# Altium PCB PCB1.PcbDoc
Units mm, origin at the board's own origin, x right, y up, seen from the top; angles counter-clockwise.
Board outline 101.09 x 63.88 mm, 2 copper layers (Top Layer, Bottom Layer); 28 components, 31 nets, 105 pads, 22 vias.
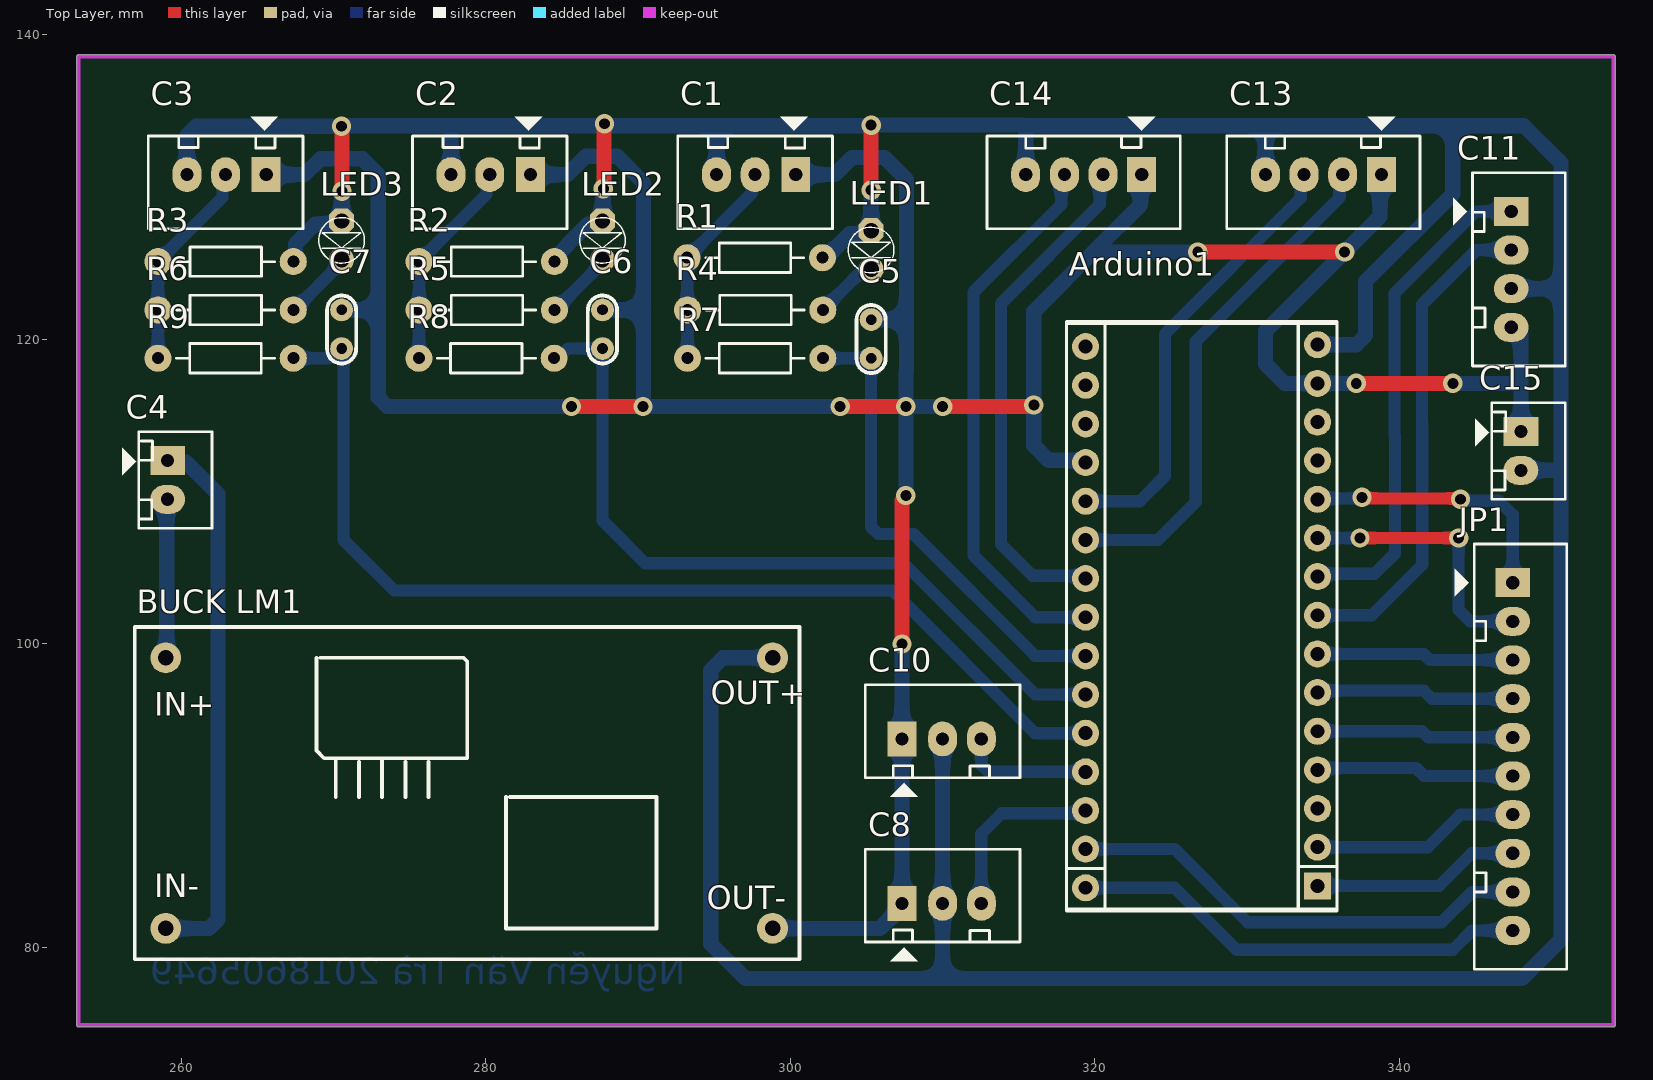
[diagram p0: Top Layer view]
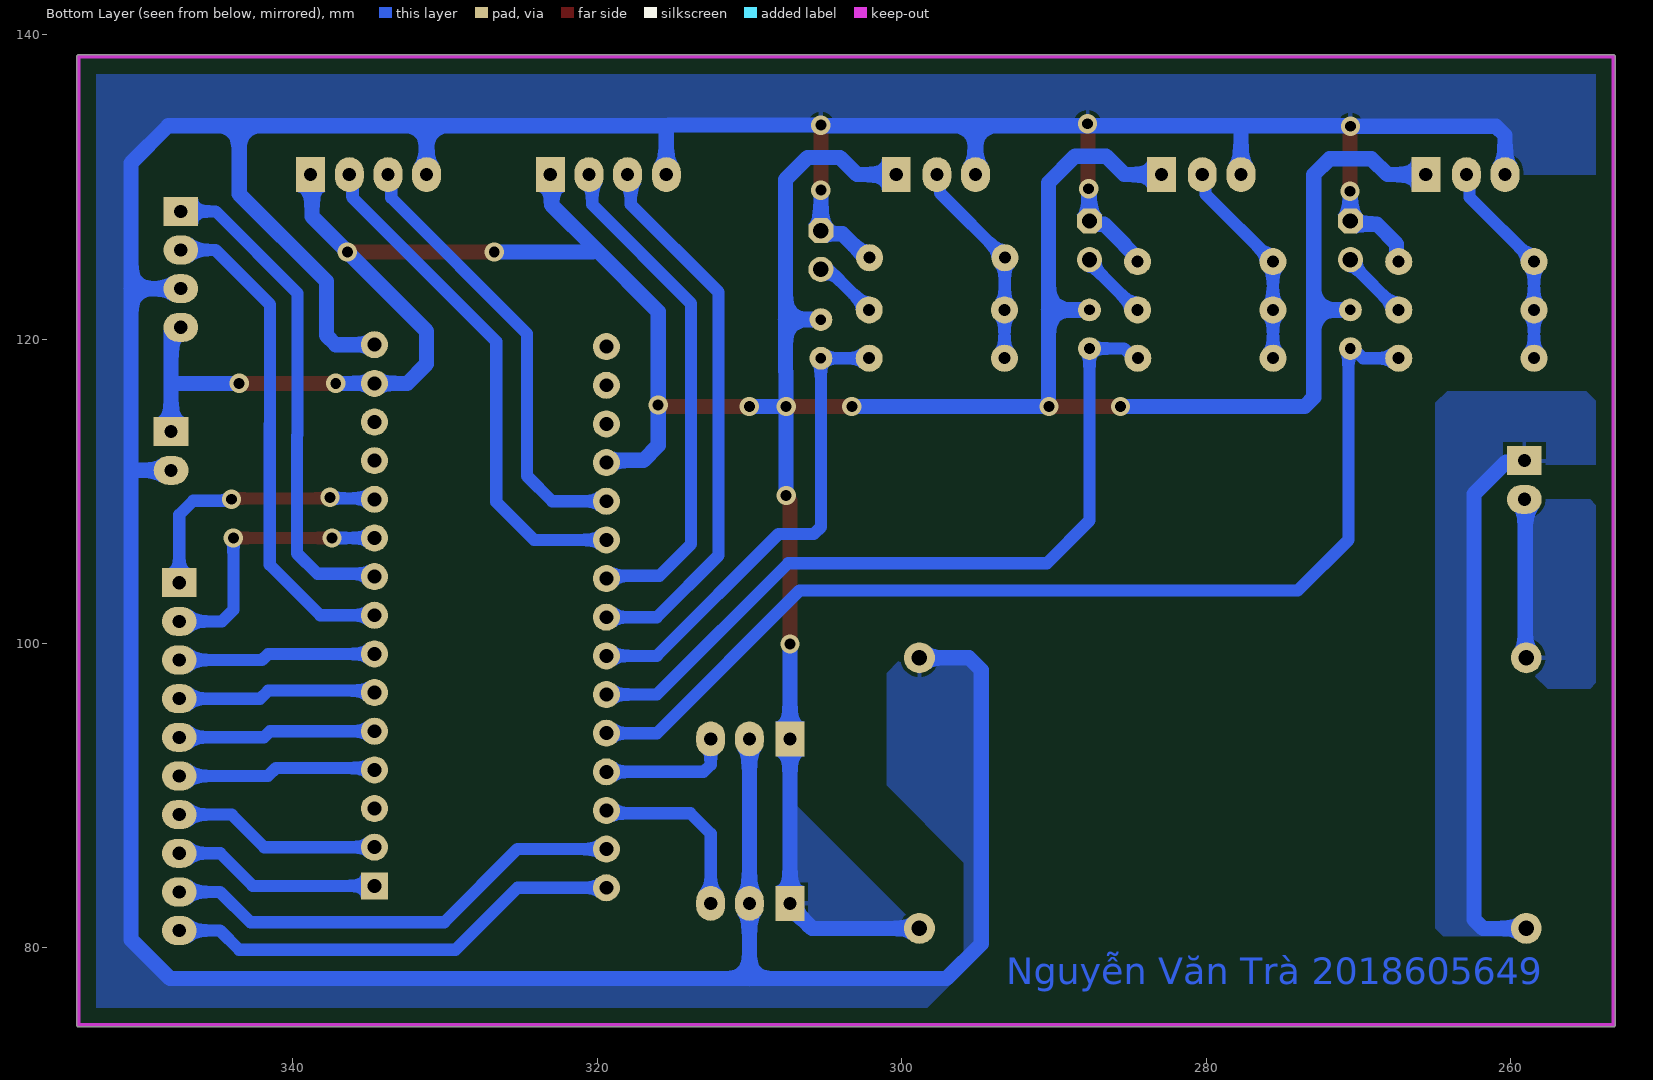
[diagram p1: Bottom Layer view, seen from below]

## Layer stack, top to bottom
Top Solder: solder mask 0.0102, Solder Resist, Dk 3.5
Top Layer: signal copper 0.0356
Dielectric 1: dielectric 0.32, FR-4, Dk 4.8
Bottom Layer: signal copper 0.0356
Bottom Solder: solder mask 0.0102, Solder Resist, Dk 3.5

## Board outline
253.111,74.93 253.111,138.557 cw(c253.238,138.557) 253.238,138.684 354.076,138.684 cw(c354.076,138.557) 354.203,138.557 354.203,74.93 cw(c354.076,74.93) 354.076,74.803 253.238,74.803 cw(c253.238,74.93)

## Design rules (kind name [scope] priority, off if disabled: settings)
Clearance [All] p1: gap=1 ignorepadtopadclearanceinfootprint=TRUE except(0.254: Arc-Hole Track-Hole SMDPad-Hole THPad-Hole Via-Hole Fill-Hole Poly-Hole Region-Hole Text-Hole)
PolygonConnect [All] p1: connectstyle=Relief reliefconductorwidth=0.254 reliefentries=4 polygonreliefangle="90 Angle" airgapwidth=0.254
RoutingVias [All] p1: holewidth=0.711 width=1.27 viastyle="Through Hole" minholewidth=0.711 minwidth=1.27 maxholewidth=0.711 maxwidth=1.27
SolderMaskExpansion [All] p1: expansion=0.102 istentingtop=FALSE
Width V12 [InNet('VCC12')] p1: maxlimit=1 minlimit=1 preferedwidth=1
Width GND [InNet('GND')] p2: maxlimit=1 minlimit=1 preferedwidth=1
Width GND12 [InNet('GND12')] p3: maxlimit=1 minlimit=1 preferedwidth=1
Width VCC [InNet('VCC5')] p4: maxlimit=1 minlimit=1 preferedwidth=1
Width SIGNAL [All] p5: maxlimit=0.8 minlimit=0.8 preferedwidth=0.8
30 further rules are at their usual default settings.

## Components (designator, comment, footprint, x,y, rotation, side; value= is the part's Value field where it differs from the comment)
Arduino1 "Arduino Nano" "Arduino Nano" 327.787,101.981 r0 top value="Cau 1A"
"BUCK LM1" "Buck LM2596" "BUCK LM2596" 278.511,90.932 r0 top
C1 "Sensor 01" Header3 300.228,130.81 r180 top
C2 "Sensor 02" Header3 282.787,130.81 r180 top
C3 "Sensor 03" Header3 265.43,130.81 r180 top
C4 "Header2" Header2 259.08,112.014 r270 top
C5 "104" "tu gom" 305.308,120.015 r90 top
C6 "104" "tu gom" 287.655,120.65 r90 top
C7 "104" "tu gom" 270.51,120.65 r90 top
C8 "Servo_1" Header3 307.467,82.918 r0 top
C10 "Servo_2" Header3 307.467,93.726 r0 top
C11 "LCD_I2C" Header4 347.37,128.397 r270 top
C13 "SR04" Header4 338.836,130.81 r180 top
C14 "SR04" Header4 323.088,130.81 r180 top
C15 "Header2" Header2 348.005,113.919 r270 top
JP1 "JP10" Header10 347.472,103.994 r270 top value="Connector 10"
LED1 "LED 3mm" LED-3MM-BLUE 305.308,125.73 r270 top
LED2 "LED 3mm" LED-3MM-BLUE 287.655,126.365 r270 top
LED3 "LED 3mm" LED-3MM-BLUE 270.51,126.365 r270 top
R1 "47K" R1/4W 293.218,125.349 r0 top value="R1/4W - 1K"
R2 "47K" R1/4W 275.605,125.095 r0 top value="R1/4W - 1K"
R3 "47K" R1/4W 258.445,125.095 r0 top value="R1/4W - 1K"
R4 "100R" R1/4W 293.243,121.92 r0 top value="R1/4W - 1K"
R5 "100R" R1/4W 275.605,121.92 r0 top value="R1/4W - 1K"
R6 "100R" R1/4W 258.445,121.92 r0 top value="R1/4W - 1K"
R7 "4.7K" R1/4W 302.133,118.745 r180 top value="R1/4W - 1K"
R8 "4.7K" R1/4W 284.48,118.745 r180 top value="R1/4W - 1K"
R9 "4.7K" R1/4W 267.335,118.745 r180 top value="R1/4W - 1K"

## Footprints (in the part's own frame and the unit in brackets; to place one, negate y for a bottom-side part, rotate by r counter-clockwise, add the part's x,y. Pads: shape width x height; smd on the part's side, far side on the other; paste and mask are expansions set on the pad)
"Arduino Nano" [mil]
  round 70 hole 36: 3V3(270,-605) 5V(270,395) A0(270,-405) A1(270,-305) A2(270,-205) A3(270,-105) A4(270,-5) A5(270,95) A6(270,195) A7(270,295) D2(-330,290) D3(-330,190) D4(-330,90) D5(-330,-10) D6(-330,-110) D7(-330,-210) D8(-330,-310) D9(-330,-410) D10(-330,-510) D11(-330,-610) D12(-330,-710) GND(-330,390) GND(270,595) REF(270,-505) RST(-330,490) RST(270,495) RX0(-330,590) TX1(-330,690) VIN(270,695)
  rect 70x70 hole 36: D13(270,-705)
  silkscreen extent -380,-770 320,755, body extent -380,-924 320,844, height 834
"BUCK LM2596" [mil]
  round 80 hole 40: 1(-770,320) 2(-770,-380) 3(800,-380) 4(800,320)
  silkscreen extent -850,-460 870,400
Header2 [mil] "CON2"
  rect 75x90 hole 34: 1(0,0)
  oval 75x90 hole 34: 2(100,0)
  silkscreen extent -75,-118 175,115, body extent -68,-70 168,107, height 236
Header3 [mil] "CON 3"
  rect 75x90 hole 34: 1(-5,0)
  oval 75x90 hole 34: 2(100,0) 3(200,0)
  silkscreen extent -100,-150 300,140, body extent -95,-90 295,136, height 276
Header4 [mil] "CON4"
  rect 75x90 hole 34: 1(0,0)
  oval 75x90 hole 34: 2(100,0) 3(200,0) 4(300,0)
  silkscreen extent -100,-150 400,140, body extent -90,-90 398,136, height 276
Header10 [mil] "CON10"
  rect 75x90 hole 34: 1(0,0)
  oval 75x90 hole 34: 2(100,0) 3(200,0) 4(300,0) 5(400,0) 6(500,0) 7(600,0) 8(700,0) 9(800,0) 10(900,0)
  silkscreen extent -100,-150 1000,140
LED-3MM-BLUE [mil]
  oct 65x65 hole 40: 1(-55,0)
  round 65 hole 40: 2(45,0)
  silkscreen extent -64,-59 54,59, body extent -72,-65 54,65, height 184
R1/4W [mil]
  round 70 hole 31: 1(0,0) 2(350,0)
  silkscreen extent 48,-38 302,38, body extent -40,-47 386,47, height 111
"tu gom" [mm] "Tu gom mini"
  round 1.5 hole 0.7: 1(-1.27,0) 2(1.27,0)
  silkscreen extent -2.25,-0.97 2.22,0.97, body extent -2.92,-0.85 2.92,0.85, height 6.12

## Part data
Arduino1: "Arduino NANO"
C1 C2 C3 C8 C10: library part Header3, "Header IDC, 3 x 1 Pin Vertical 2.54mm Pitch (Non-Boxed, Male)", Manufacturer="W¨¹rth Elektronik eiSos GmbH", partNo=613002143121, ComponentLink1 Description=Manufacturer, ComponentLink1URL=http://www.we-online.com, ComponentLink2 Description=Datasheet, ComponentLink2URL=http://katalog.we-online.de/em/datasheet/6130xx143121.pdf, Created by="Karrer Zheng", Created Date="29 March 2013", NoPins=02
C4 C15: "Header IDC, 2 x 1 Pin Vertical 2.54mm Pitch (Non-Boxed, Male)", Manufacturer="W¨¹rth Elektronik eiSos GmbH", partNo=613002143121, ComponentLink1 Description=Manufacturer, ComponentLink1URL=http://www.we-online.com, ComponentLink2 Description=Datasheet, ComponentLink2URL=http://katalog.we-online.de/em/datasheet/6130xx143121.pdf, Created by="Karrer Zheng", Created Date="29 March 2013", NoPins=02
C5 C6 C7: library part "Tu gom 104 50V", "Cắm", Chung_Loai=Cắm, Don_Vi=Con, Ma_Hang=MH004761, So_Chan=2, Ten_Linh_Kien="Tụ gốm 104 100nF 50V"
C11 C13 C14: library part Header4, "Header IDC, 4 x 1 Pin Vertical 2.54mm Pitch (Non-Boxed, Male)", Manufacturer="W¨¹rth Elektronik eiSos GmbH", partNo=613002143121, ComponentLink1 Description=Manufacturer, ComponentLink1URL=http://www.we-online.com, ComponentLink2 Description=Datasheet, ComponentLink2URL=http://katalog.we-online.de/em/datasheet/6130xx143121.pdf, Created by="Karrer Zheng", Created Date="29 March 2013", NoPins=02
JP1: library part Header10, "Connector 10"
LED1 LED2 LED3: library part "LED 3mm Xanh Duong", "Cắm", Chung_Loai=Cắm, Don_Vi=Con, Ma_Hang=MH009003, Ten_Linh_Kien="LED 3MM Xanh Dương SS (1000c)"
R1 R2 R3 R4 R5 R6 R7 R8 R9: library part R1/4W, "Resistor 1/4W"

## Via types
v1: diameter 1.27, hole 0.711, Top Layer to Bottom Layer, 22 vias

## Nets (pads, with @x,y where several pads share a name; then routed paths per layer and width w, separated by ;. In a path a pad name is that pad's centre, name@x,y a point inside that pad or via, vN(x,y) a via of type N, cw(c..) or ccw(c..) an arc to the next point about the centre after c; other vN are vias at no path point)
3V3: Arduino1.3V3 JP1.7 | length 13.7
  Bottom Layer w0.8: Arduino1.3V3 341.884,86.614 344.024,88.754 JP1.7
A0: Arduino1.A0 JP1.6 | length 13.1
  Bottom Layer w0.8: Arduino1.A0 334.772,91.821 341.122,91.821 341.649,91.294 JP1.6
A1: Arduino1.A1 JP1.5 | length 13
  Bottom Layer w0.8: Arduino1.A1 341.503,94.234 341.903,93.834 JP1.5
A2: Arduino1.A2 JP1.4 | length 13.1
  Bottom Layer w0.8: Arduino1.A2 334.772,96.901 341.63,96.901 342.157,96.374 JP1.4
A3: Arduino1.A3 JP1.3 | length 13
  Bottom Layer w0.8: Arduino1.A3 341.63,99.314 342.03,98.914 JP1.3
A6: Arduino1.A6 JP1.2 | length 17.9
  Top Layer w0.8: v1(337.439,106.934) v1(343.916,106.934)
  Bottom Layer w0.8: Arduino1.A6 v1(337.439,106.934) ; v1(343.916,106.934) 343.916,102.196 344.658,101.454 JP1.2
A7: Arduino1.A7 JP1.1 | length 17.8
  Top Layer w0.8: v1(337.566,109.601) 337.63,109.537 343.979,109.537 v1(344.043,109.474)
  Bottom Layer w0.8: Arduino1.A7 334.708,109.537 337.502,109.537 v1(337.566,109.601) ; v1(344.043,109.474) 344.133,109.384 346.546,109.384 347.472,108.458 JP1.1
D11: Arduino1.D11 JP1.9 | length 30.9
  Bottom Layer w0.8: Arduino1.D11 325.253,86.487 330.062,81.678 342.79,81.678 344.786,83.674 JP1.9
D12: Arduino1.D12 JP1.10 | length 30.3
  Bottom Layer w0.8: Arduino1.D12 325.247,83.947 329.316,79.878 343.536,79.878 344.791,81.134 JP1.10
D13: Arduino1.D13 JP1.8 | length 13.7
  Bottom Layer w0.8: Arduino1.D13 342.64,84.074 344.78,86.214 JP1.8
ECHO: Arduino1.D4 C14.2 | length 33.6
  Bottom Layer w0.8: Arduino1.D4 319.218,104.454 315.916,104.454 313.842,106.528 313.842,122.346 320.337,128.841 320.337,130.109 320.548,130.32 C14.2
GND: "BUCK LM1.3" Arduino1.GND C1.1 C2.1 C3.1 C5.2 C6.2 C7.2 C8.1 C10.1 C11.4 C13.1 C14.1 C15.1 | length 243.5
  Top Layer w1: v1(285.62,115.57) v1(290.322,115.57) ; v1(303.273,115.57) v1(307.594,115.57) ; v1(307.34,99.97) 307.34,109.401 307.594,109.655 v1(307.594,109.728) ; v1(310.007,115.57) 315.828,115.57 315.929,115.671 v1(316.002,115.671) ; v1(326.771,125.73) v1(336.423,125.73) ; v1(337.185,117.094) v1(343.535,117.094)
  Bottom Layer w1: C3.1 268.079,130.81 269.119,131.85 271.878,131.85 272.924,130.804 272.924,121.92 ; C7.2 272.924,121.92 ; C2.1 285.366,130.81 286.579,132.023 288.597,132.023 290.346,130.274 290.346,121.92 ; v1(285.62,115.57) 273.51,115.57 272.924,116.156 272.924,121.92 ; C6.2 290.346,121.92 ; 298.831,81.28 305.892,81.28 307.34,82.728 C8.1 v1(307.34,99.97) ; C1.1 302.94,130.81 304.059,131.929 306.192,131.929 307.634,130.488 307.634,121.285 ; v1(303.273,115.57) v1(290.322,115.57) 290.346,115.594 290.346,121.92 ; C5.2 307.634,121.285 ; v1(307.594,109.728) v1(307.594,115.57) ; v1(310.007,115.57) v1(307.594,115.57) ; Arduino1.GND@319.405,111.887 319.256,112.036 316.97,112.036 316.002,113.004 316.002,121.819 320.103,125.92 ; C14.1 323.001,130.723 323.001,128.818 320.103,125.92 ; v1(326.771,125.73) 320.294,125.73 320.103,125.92 ; v1(337.185,117.094) 334.645,117.094 332.486,117.094 331.216,118.364 331.216,120.523 338.749,128.056 338.749,130.723 C13.1 ; v1(343.535,117.094) 347.915,117.094 348.005,117.003 ; C11.4 347.37,120.723 348.005,120.088 348.005,117.003 ; C15.1 348.005,117.003 ; v1(307.594,115.57) 307.594,117.849 307.634,117.889 307.634,121.285
GND12: "BUCK LM1.2" C4.1 | length 35.8
  Bottom Layer w1: 258.953,81.28 261.796,81.28 262.382,81.866 262.382,109.831 260.286,111.927 259.167,111.927 C4.1
NetC1_2: C1.2 R1.1 R4.1 R7.2 | length 13.9
  Bottom Layer w0.8: R7.2 R4.1 293.23,121.933 293.23,125.336 R1.1 297.477,129.608 297.477,130.599 C1.2
NetC2_2: C2.2 R2.1 R5.1 R8.2 | length 14
  Bottom Layer w0.8: R8.2 275.598,118.753 275.598,121.912 R5.1 R2.1 280.035,129.525 280.035,130.599 C2.2
NetC3_2: C3.2 R3.1 R6.1 R9.2 | length 13.9
  Bottom Layer w0.8: R9.2 R6.1 R3.1 262.679,129.329 262.679,130.599 C3.2
NetLED1_2: LED1.2 R4.2 | length 4.3
  Bottom Layer w0.8: R4.2 304.637,124.424 305.145,124.424 LED1.2
NetLED2_2: LED2.2 R5.2 | length 4.6
  Bottom Layer w0.8: R5.2 284.557,121.92 287.655,125.018 LED2.2
NetLED3_2: LED3.2 R6.2 | length 4.7
  Bottom Layer w0.8: R6.2 267.397,121.92 270.51,125.033 LED3.2
S_RX: Arduino1.D2 C13.3 | length 29.5
  Bottom Layer w0.8: Arduino1.D2 322.961,109.347 324.612,110.998 324.612,120.359 333.545,129.291 333.545,130.109 333.756,130.32 C13.3
S_TX: Arduino1.D3 C13.2 | length 33.8
  Bottom Layer w0.8: Arduino1.D3 324.149,106.807 326.644,109.302 326.644,119.845 336.085,129.285 336.085,130.109 336.296,130.32 C13.2
SCL: Arduino1.A5 C11.1 | length 32.7
  Bottom Layer w0.8: Arduino1.A5 334.832,104.581 338.388,104.581 339.728,105.921 339.728,113.676 339.7,113.704 339.7,123.018 345.079,128.397 C11.1
SDA: Arduino1.A4 C11.2 | length 32.7
  Bottom Layer w0.8: Arduino1.A4 338.207,101.854 341.528,105.175 341.528,114.421 341.5,114.449 341.5,122.272 345.085,125.857 C11.2
SERVO_1: Arduino1.D10 C8.3 | length 12.1
  Bottom Layer w0.8: C8.3 312.547,87.503 313.884,88.84 319.218,88.84 Arduino1.D10
SERVO_2: Arduino1.D9 C10.3 | length 8.7
  Bottom Layer w0.8: C10.3 312.547,92.036 313.016,91.567 Arduino1.D9
SS_1: Arduino1.D6 C5.1 R7.1 | length 31.9
  Bottom Layer w0.8: R7.1 C5.1 305.308,107.657 305.777,107.188 308.091,107.188 316.092,99.187 Arduino1.D6
SS_2: Arduino1.D7 C6.1 R8.1 | length 51.2
  Bottom Layer w0.8: R8.1 284.745,118.745 285.38,119.38 C6.1 287.655,108.077 290.456,105.276 307.457,105.276 316.086,96.647 Arduino1.D7
SS_3: Arduino1.D8 C7.1 R9.1 | length 70.1
  Bottom Layer w0.8: R9.1 269.686,118.745 270.321,119.38 C7.1 270.644,119.246 270.644,106.8 273.968,103.476 306.712,103.476 316.081,94.107 Arduino1.D8
TRIG: Arduino1.D5 C14.3 | length 36.5
  Bottom Layer w0.8: C14.3 318.008,130.32 317.797,130.109 317.797,128.846 312.042,123.092 312.042,105.782 316.097,101.727 Arduino1.D5
VCC5: "BUCK LM1.4" Arduino1.VIN C1.3 C2.3 C3.3 C8.2 C10.2 C11.3 C13.4 C14.4 C15.2 LED1.1 LED2.1 LED3.1 R1.2 R2.2 R3.2 | length 312.6
  Top Layer w1: v1(270.51,133.985) 270.538,133.957 v1(270.538,129.715) ; v1(287.713,129.888) 287.747,129.923 287.747,134.123 v1(287.782,134.158) ; v1(305.308,129.794) v1(305.308,134.064)
  Bottom Layer w1: C3.3 260.35,133.399 260.936,133.985 v1(270.51,133.985) 270.548,134.023 277.622,134.023 ; R3.2 267.484,125.244 267.484,126.26 268.78,127.556 270.304,127.556 270.524,127.776 270.524,129.701 v1(270.538,129.715) ; C2.3 277.707,133.939 277.622,134.023 ; R2.2 284.495,125.306 285.329,126.14 285.329,126.185 286.701,127.556 287.449,127.556 LED2.1 287.684,127.791 287.684,129.859 v1(287.713,129.888) ; C1.3 295.148,134.023 ; 298.831,99.06 295.575,99.06 294.767,98.252 294.767,80.264 297.053,77.978 310.007,77.978 ; R1.2 302.318,125.349 303.89,126.921 305.102,126.921 LED1.1 v1(305.308,129.794) ; C10.2 C8.2 310.007,77.978 ; C14.4 315.468,133.896 ; C13.4 331.216,134.023 ; Arduino1.VIN 337.185,119.634 337.8,120.249 337.8,123.805 343.535,129.54 343.535,134.023 ; C11.3 350.648,123.317 ; C15.2 350.394,111.379 350.648,111.125 ; 277.622,134.023 295.148,134.023 ; 295.148,134.023 305.267,134.023 v1(305.308,134.064) 315.3,134.064 315.468,133.896 ; 310.007,77.978 348.088,77.978 350.648,80.539 350.648,111.125 ; 315.468,133.896 315.595,134.023 331.216,134.023 ; 331.216,134.023 343.535,134.023 ; 343.535,134.023 348.196,134.023 350.648,131.571 350.648,123.317 ; 350.648,111.125 350.648,123.317
VCC12: "BUCK LM1.1" C4.2 | length 10.5
  Bottom Layer w1: 258.953,99.06 259.017,99.123 259.017,109.41 C4.2
pads on no net: Arduino1.5V Arduino1.REF Arduino1.RST Arduino1.RX0 Arduino1.TX1

## Polygon pours and split planes (outlines as drawn)
GND12 on Bottom Layer "NONET_L-01_P-001" (solid, pour order 5): 259.124,111.97 258.913,111.76 253.238,111.76 253.238,114.808 255.016,116.586 264.16,116.586 264.922,115.824 264.922,81.28 264.414,80.772 259.08,80.772 259.08,81.153 258.953,81.28 261.796,81.28 262.382,81.866 262.382,109.831 260.243,111.97
VCC12 on Bottom Layer "NONET_L-01_P-001" (solid, pour order 4): 257.556,97.028 254.762,97.028 253.238,98.552 253.238,107.95 254.762,109.474 259.08,109.474 259.08,98.552
GND on Bottom Layer "GND_L02_P003" (solid, pour order 3): 307.34,89.662 307.213,89.662 298.831,81.28 305.816,81.28 305.816,81.394 307.34,82.918
VCC5 on Bottom Layer "VCC5_L02_P000" (solid, pour order 0): 260.35,130.81 253.238,130.81 253.238,138.43 253.492,138.684 354.076,138.684 354.076,74.93 299.212,74.93 299.212,75.184 294.386,80.01 294.767,80.391 294.767,98.252 295.575,99.06 299.974,99.06 300.99,98.044 300.99,90.678 295.91,85.598 295.91,79.502 297.434,77.978 348.088,77.978 350.648,80.539 350.648,131.571 348.196,134.023 348.158,133.985 260.936,133.985 260.35,133.399

## Keep-outs
Keep-Out Layer:
  lines w0.254: 253.238,74.93 253.238,138.557 354.076,138.557 354.076,74.93 253.238,74.93

## Other copper
Bottom Layer:
  text "Nguyễn Văn Trà 2018605649" at 293.116,77.02 h3

## Text inside footprints (layer, text, board x,y; h text height)
"BUCK LM1": Top Overlay "OUT-" at 294.513,82.55 h1.52; Top Overlay "OUT+" at 294.767,96.012 h1.52; Top Overlay "IN-" at 258.191,83.312 h1.52; Top Overlay "IN+" at 258.191,95.25 h1.52